# Altium PCB Drone_mercury_v2.PcbDoc (continued)
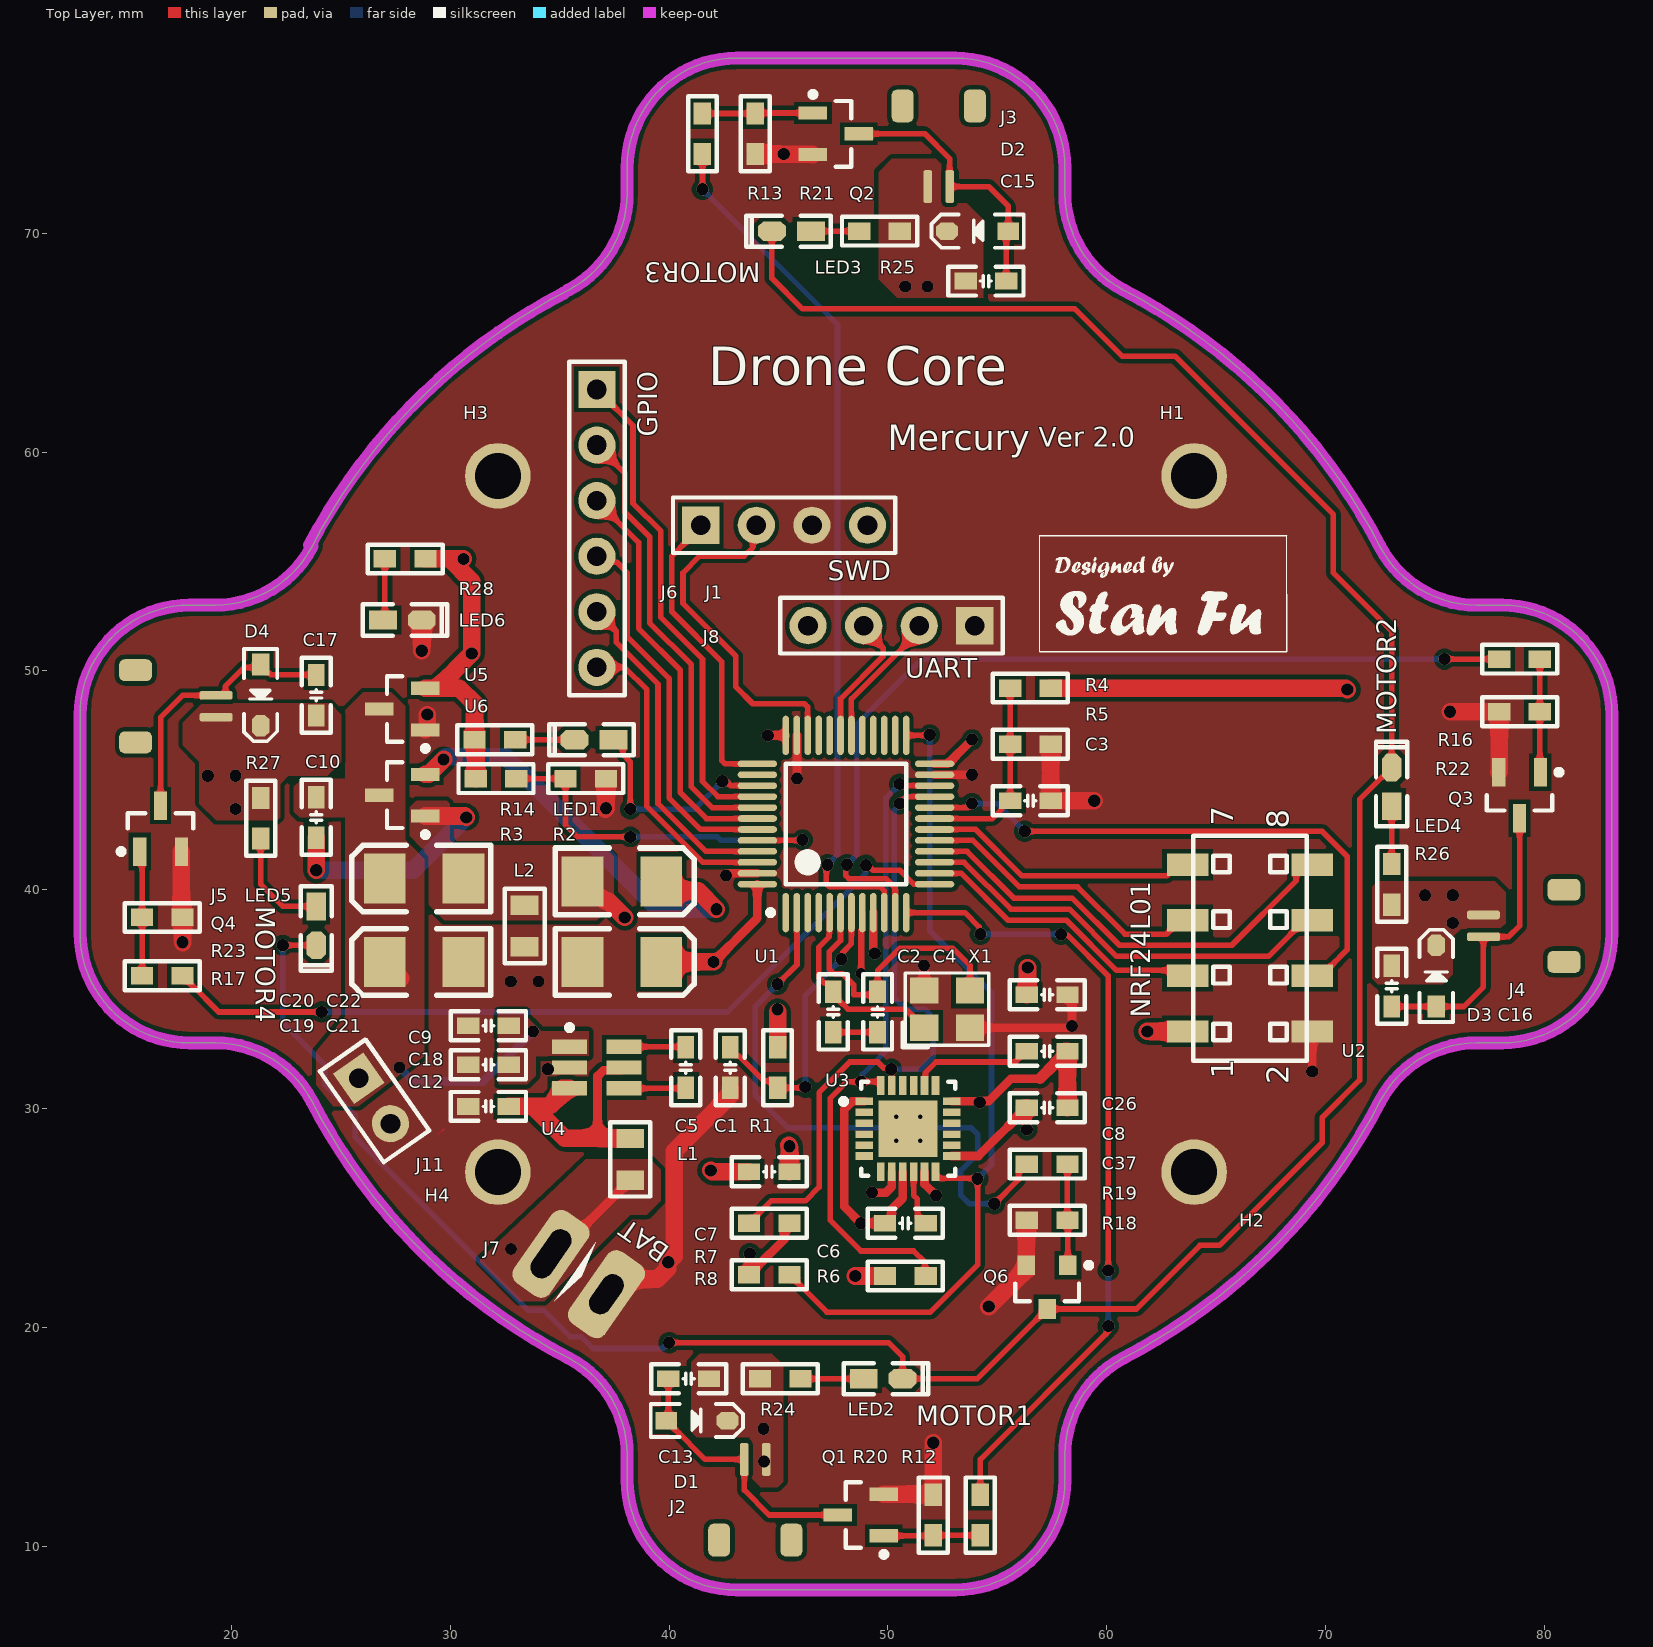
[diagram p0: Top Layer view]
## Footprints (in the part's own frame and the unit in brackets; to place one, negate y for a bottom-side part, rotate by r counter-clockwise, add the part's x,y. Pads: shape width x height; smd on the part's side, far side on the other; paste and mask are expansions set on the pad)
C0603_M [mil]
  rect 40x30 smd: 1(-36.5,0) 2(36.5,0)
  silkscreen extent -68,-26 68,26, body extent -31,-16 32,16, height 33
C_3528 [mil] "长3.5mm，宽2.8mm，厚1.9mm"
  rect 75x90 smd: 1(-70.87,-0.01) 2(70.86,-0.01)
  silkscreen extent -130,-60 120,60, body extent -69,-55 69,55, height 76
HDR2.54-LI-2P [mm]
  rect 1.7x1.7 hole 0.9: 1(-1.27,0)
  round 1.7 hole 0.9: 2(1.27,0)
  silkscreen extent -2.54,-1.27 2.54,1.27, body extent -2.54,-1.27 2.54,1.27, height 2.54
HDR2.54-LI-4P [mm]
  rect 1.7x1.7 hole 0.9: 1(-3.81,0)
  round 1.7 hole 0.9: 2(-1.27,0) 3(1.27,0) 4(3.81,0)
  silkscreen extent -5.08,-1.27 5.08,1.27, body extent -5.08,-1.27 5.08,1.27, height 2.54
HDR2.54-LI-6P [mm]
  rect 1.7x1.7 hole 0.9: 1(-6.35,0)
  round 1.7 hole 0.9: 2(-3.81,0) 3(-1.27,0) 4(1.27,0) 5(3.81,0) 6(6.35,0)
  silkscreen extent -7.62,-1.27 7.62,1.27, body extent -7.62,-1.27 7.62,1.27, height 2.54
HDR2.54-M-LS-2x4P [mm]
  rect 1.02x1.9 smd: 1(-3.81,2.85) 2(-3.81,-2.85) 3(-1.27,2.85) 4(-1.27,-2.85) 5(1.27,2.85) 6(1.27,-2.85) 7(3.81,2.85) 8(3.81,-2.85)
  silkscreen extent -5.15,-2.6 5.14,2.6, body extent -5.11,-3.2 5.11,3.2, height 5.15
IS-QFN-24_V [mm] "QFN, 24-Leads, Body 4x4mm, Pitch 0.5mm, Thermal Pad 2.7x2.6mm"
  rect 0.8x0.35 smd: 1(-2,1.25) 2(-2,0.75) 3(-2,0.25) 4(-2,-0.25) 5(-2,-0.75) 6(-2,-1.25) 13(2,-1.25) 14(2,-0.75) 15(2,-0.25) 16(2,0.25) 17(2,0.75) 18(2,1.25)
  rect 0.35x0.85 smd mask+0.102: 7(-1.25,-1.975) 8(-0.75,-1.975) 9(-0.25,-1.975) 10(0.25,-1.975) 11(0.75,-1.975) 12(1.25,-1.975) 19(1.25,1.975) 20(0.75,1.975) 21(0.25,1.975) 22(-0.25,1.975) 23(-0.75,1.975) 24(-1.25,1.975)
  rect 2.7x2.6 smd: 25(0,0)
  silkscreen extent -3.07,-2.15 2.15,2.15, body extent -2,-2 2,2, height 0.95
LED0603_R [mil]
  rect 50x35 smd: 1(-35,0.26)
  oct 50x35 smd: 2(35,0.26)
  silkscreen extent -71,-28 81,28, body extent -32,-16 31,16, height 18
LQFP48_N [mm]
  oval 1.8x0.3 smd: 1(-4.05,2.75) 2(-4.05,2.25) 3(-4.05,1.75) 4(-4.05,1.25) 5(-4.05,0.75) 6(-4.05,0.25) 7(-4.05,-0.25) 8(-4.05,-0.75) 9(-4.05,-1.25) 10(-4.05,-1.75) 11(-4.05,-2.25) 12(-4.05,-2.75) 25(4.05,-2.75) 26(4.05,-2.25) 27(4.05,-1.75) 28(4.05,-1.25) 29(4.05,-0.75) 30(4.05,-0.25) 31(4.05,0.25) 32(4.05,0.75) 33(4.05,1.25) 34(4.05,1.75) 35(4.05,2.25) 36(4.05,2.75)
  oval 0.3x1.8 smd: 13(-2.75,-4.05) 14(-2.25,-4.05) 15(-1.75,-4.05) 16(-1.25,-4.05) 17(-0.75,-4.05) 18(-0.25,-4.05) 19(0.25,-4.05) 20(0.75,-4.05) 21(1.25,-4.05) 22(1.75,-4.05) 23(2.25,-4.05) 24(2.75,-4.05) 37(2.75,4.05) 38(2.25,4.05) 39(1.75,4.05) 40(1.25,4.05) 41(0.75,4.05) 42(0.25,4.05) 43(-0.25,4.05) 44(-0.75,4.05) 45(-1.25,4.05) 46(-1.75,4.05) 47(-2.25,4.05) 48(-2.75,4.05)
  silkscreen extent -4.17,-2.75 2.75,3.57, body extent -4.5,-4.5 4.5,4.5, height 1.45
LT-S6-6-TSOT-23_M [mm] "SOT23, 6-Leads, Body 2.9x1.75mm, Pitch 0.95mm, IPC Low Density"
  rect 1.6x0.65 smd: 1(-1.25,0.95) 2(-1.25,0) 3(-1.25,-0.95) 4(1.25,-0.95) 5(1.25,0) 6(1.25,0.95)
  silkscreen extent -1.37,1.7 -1.13,1.95, body extent -0.87,-1.45 0.87,1.45, height 1
ONSC-SOT-23-3-318-08_V [mm] "SOT23, 3-Leads, Body 2.92x1.3mm, Pitch 0.95mm"
  rect 0.9x0.8 smd: 1(-1,0.95) 2(-1,-0.95) 3(1,0)
  silkscreen extent -1.12,-1.46 0.65,2.03, body extent -0.65,-1.46 0.65,1.46, height 1.11
Pos-Hole [mm]
  round 3 hole 2.1: 1(0,0)
PWR_Bonding_Pad [mm]
  rrect50% 2x4 hole 1 slot 2.5 at 90 deg: 1(-1.5,0.033)
  rrect50% 2x4 hole 1 slot 2 at 90 deg: 2(1.637,-0.025)
  silkscreen extent -0.13,-1.65 0.25,1.65
R0603_M [mil]
  rect 40x31.5 smd: 1(-36.5,0) 2(36.5,0)
  silkscreen extent -68,-26 68,26, body extent -31,-16 32,16, height 16
R0805_L [mil]
  rect 35x50 smd: 1(-37.4,0) 2(37.4,0)
  silkscreen extent -67,-36 67,36, body extent -39,-25 39,25, height 20
SH1.0-2p [mm]
  rrect50% 1.5x0.4 smd: 1(-1.905,-0.5) 2(-1.905,0.5)
  rrect50% 1.5x1 smd: SH1(1.778,-1.651) SH2(1.778,1.651)
  body extent -2.45,-2 2.51,2, height 3.06
SOD-323 [mm]
  rect 1x0.8 smd: 1(-1.4,0)
  oct 1x0.8 smd: 2(1.4,0)
  silkscreen extent -2.11,-0.76 2.11,0.76, body extent -1.32,-0.65 1.32,0.65, height 0.95
sot23 [mm]
  rect 1.3x0.6 smd: 1(-1.05,0.95) 2(-1.05,-0.95) 3(1.05,0)
  silkscreen extent -1.18,-1.5 0.7,1.92, body extent -1.2,-1.5 1.2,1.5, height 1.05
SOT23-3N [mm]
  rect 1.3x0.6 smd: 1(-1.05,0.95) 2(-1.05,-0.95) 3(1.05,0)
  silkscreen extent -1.18,-1.5 0.7,1.92, body extent -1.2,-1.5 1.2,1.5, height 1.05
XTAL-3225-4P [mm]
  rect 1.3x1.2 smd: 1(-1.05,-0.85) 2(1.05,-0.85) 3(1.05,0.85) 4(-1.05,0.85)
  silkscreen extent -2.03,-1.75 1.91,1.65, body extent -1.6,-1.25 1.6,1.25, height 0.7

## Part data
C1 C2 C3 C4 C5 C6 C7 C8 C9 C10 C12 C13 C15 C16 C17 C18 C26 C37: library part C, "贴片电容", BOM名称=无极性贴片电容, 联系卖家，免费查找封装=唯一出售店铺网址https://shop463601444.taobao.com
C19 C20 C21 C22: library part CT, "贴片钽电容", BOM名称=贴片钽电容, 联系卖家，免费查找封装=唯一出售店铺网址https://shop463601444.taobao.com
D1 D2 D3 D4: "开关二极管", BOM名称=高速开关二极管, 联系卖家，免费查找封装=唯一出售店铺网址https://shop463601444.taobao.com
H1 H2 H3 H4: library part Hole
J1: library part "Header 4", "4P接插件", BOM名称=4P接插件, 封装库来自淘宝卖家 ID：黄晶宝石=其他店铺购入均为盗版假冒封装库, 联系卖家，免费查找封装=唯一出售店铺网址https://shop463601444.taobao.com
J2 J3 J4 J5 J7 J11: library part "Header 2", "2P接插件", BOM名称=2P接插件, 封装库来自淘宝卖家 ID：黄晶宝石=其他店铺购入均为盗版假冒封装库, 联系卖家，免费查找封装=唯一出售店铺网址https://shop463601444.taobao.com
J6: library part "Header 6", "GPIO口", BOM名称=6P接插件, 封装库来自淘宝卖家 ID：黄晶宝石=其他店铺购入均为盗版假冒封装库, 联系卖家，免费查找封装=唯一出售店铺网址https://shop463601444.taobao.com
J8: library part "Header 4", "UART通信口", BOM名称=4P接插件, 封装库来自淘宝卖家 ID：黄晶宝石=其他店铺购入均为盗版假冒封装库, 联系卖家，免费查找封装=唯一出售店铺网址https://shop463601444.taobao.com
L1 L2 R1 R2 R3 R4 R5 R6 R7 R8 R12 R13 R14 R16 R17 R18 R19 R20 R21 R22 R23 R24 R25 R26 R27 R28: library part R, "贴片电阻", BOM名称=贴片电阻, 联系卖家，免费查找封装=唯一出售店铺网址https://shop463601444.taobao.com
LED1 LED2 LED3 LED4 LED5 LED6: library part LED-SMD, "贴片LED", BOM名称=贴片LED, 联系卖家 免费查找封装=封装库来自淘宝卖家ID：黄晶宝石
Q1 Q2 Q3 Q4: library part AO3400, "N沟道 30V/4.2A", BOM名称=场效应管, 参数="N沟道 30V/4.2A", 联系卖家，免费查找封装=唯一出售店铺网址https://shop463601444.taobao.com
Q6: library part CMP-1048-00669-1, "High Voltage Transistor, NPN Silicon, 3-Pin SOT-23, Pb-Free, Tape and Reel", Manufacturer="On Semiconductor", ComponentLink1Description="Manufacturer URL", ComponentLink1URL=http://www.onsemi.com/, ComponentLink2Description=Datasheet, ComponentLink2URL=http://www.onsemi.cn/pub_link/Collateral/MMBT5550LT1-D.PDF, ComponentLink3Description="Package Specification", ComponentLink3URL=http://www.onsemi.cn/pub_link/Collateral/318-08.PDF, DatasheetVersion="Rev. 10", IC Continuous (A)=0.6, Mounting Technology="Surface Mount", PackageDescription="3-Pin Small Outline Transistor, Body 2.92 x 1.3 mm, Pitch 0.95 mm", PackageReference=SOT-23-3-318-08, PackageVersion="Rev. AP, 11/2009", Packing="Tape and Reel", PartNumber=MMBT5551LT1G, Polarity=NPN, RoHS=TRUE
U1: "STM32 ARM-based 32-bit MCU Performance Line with 64 kB Flash, 20 kB Internal RAM, -40 to +85癈 Temperature, 48-Pin LQFP, Tray", ComponentLink1Description="Manufacturer URL", ComponentLink1URL=http://www.st.com/, ComponentLink2Description="STM32F103 Datasheet", ComponentLink2URL=http://www.st.com/internet/com/TECHNICAL_RESOURCES/TECHNICAL_LITERATURE/DATASHEET/CD00161566.pdf, ComponentLink3Description="STM32 Family Web Page", ComponentLink3URL=www.st.com/stm32, DatasheetVersion="rev13.0, Apr-2011", PackageDescription="48-Pin Low-Profile Quad Flat Pack, 7 x 7 mm Body, 0.5 mm Pitch (LQFP48)", PackageReference=LQFP48, PackageVersion="rev13, Apr-2011", 联系卖家，免费查找封装=唯一出售店铺网址https://shop463601444.taobao.com
U3: library part CMP-1753-00002-2, "3-Axis Gyroscope, Accelerometer and a Digital Motion Processor(TM) (DMP), 2.375 to 3.46 V, -40 to 85 degC, 24-Pin QFN, RoHS, Tape and Reel", Manufacturer=InvenSense, Standard Package=5,000, Category=Sensors,Transducers, Datasheet URL=http://datasheet.octopart.com/MPU-6050-InvenSense-datasheet-14421344.pdf, Datasheet Version="Rev. 3.3, 05/2012", Dynamic Catalog=MPU-6000™Series, Family=Multifunction, Featured Product=MPU-60506-Axis,IntegratedI²CSolution, Manufacturer URL=http://www.invensense.com/, Online Catalog=MPU-6000™Series, Other Names="1428-1007-2 / MPU6050", Output Type=Digital, Sensor Type=MotionTracking, Unit PriceUSD=Digital
U4: library part CMP-0477-00281-1, "Low Noise, Doubler / White LED Driver, 2.7 to 4.5 V Vin, 5 V Vout MAX, 6-pin SOT23 (S6-6), -40 to 85 degC, Pb-Free, Mini Tape and Reel", Manufacturer="Linear Technology", PartNumber=LTC3200ES6-5#TRMPBF, Code_JEDEC=MO-193, ComponentLink1Description="Manufacturer URL", ComponentLink1URL=http://www.linear.com/, ComponentLink2Description=Datasheet, ComponentLink2URL=http://cds.linear.com/docs/en/datasheet/32005f.pdf, ComponentLink3Description="Package Specification", ComponentLink3URL=http://cds.linear.com/docs/en/packaging/SOT_6_05-08-1636.pdf, Mounting Technology="Surface Mount", PackageDescription="6-Pin Plastic TSOT-23, Body 2.9 x 1.63 mm, Pitch 0.95 mm", PackageReference=S6-6, PackageVersion=Jun-10, Packing="Mini Tape and Reel", RoHS=TRUE, Topology="Charge Pump, LED Driver", Vin Min(V)=2.7
X1: library part XTAL-4P, "4脚无源晶振(谐振器）", BOM名称=4脚无源晶振(谐振器）, 联系卖家，免费查找封装=唯一出售店铺网址https://shop463601444.taobao.com

## Via types
v1: diameter 0.559, hole 0.559, Top Layer to Bottom Layer, 84 vias
v2: diameter 0.5, hole 0.2, Top Layer to Bottom Layer, 4 vias
v3: diameter 0.5, hole 0.5, Top Layer to Bottom Layer, 1 vias

## Nets (pads, with @x,y where several pads share a name; then routed paths per layer and width w, separated by ;. In a path a pad name is that pad's centre, name@x,y a point inside that pad or via, vN(x,y) a via of type N, cw(c..) or ccw(c..) an arc to the next point about the centre after c; other vN are vias at no path point)
CE: U1.20 U2.4 | length 26
  Top Layer w0.254: U1.20 v1@53.663,43.757 ; v1(56.261,42.672) 69.85,42.672 70.993,41.529 70.993,37.265 70.221,36.493 70.221,36.451 69.838,36.068 U2.4
  Bottom Layer w0.254: v1(53.848,43.942) 54.991,43.942 v1(56.261,42.672)
CSN: U1.14 U2.3 | length 13.5
  Top Layer w0.254: U1.14 52.146,40.749 53.358,40.749 55.499,38.608 58.166,38.608 60.452,36.322 63.444,36.322 U2.3
GGND: C6.1 C7.1 C8.1 C10.1 C20.2 C22.2 C37.2 L2.2 U3.1 U3.9 U3.11 U3.18 U6.1 | length 36.4
  Top Layer w0.4: U3.1 48.367,30.333 48.006,29.972 48.006,25.527 v1(48.768,24.765) 49.989,24.765 50.17,24.946 50.17,25.405 50.677,25.912 U3.9 ; U3.11 51.677,26.555 v1(52.197,26.035) ; U3.18 54.104,30.333 54.157,30.28 v1(54.2,30.28) 54.23,30.31 54.343,30.31 54.383,30.35 54.607,30.35 55.626,31.369 56.952,31.369
  Top Layer w0.5: 56.952,31.369 C8.1@58.096,32.513
  Top Layer w0.8: v1(23.876,40.894) C10.1 ; U6.1 30.668,43.373 v1(30.734,43.307) ; C22.2 36.046,40.196 36.599,39.643 36.921,39.643 37.067,39.497 37.211,39.497 v1(37.973,38.735) ; v1(41.91,27.178) 41.972,27.116 C7.1 ; C8.1@58.096,32.513 58.096,32.602 58.115,32.621 C8.1 C37.2
  Bottom Layer w0.8: v1(23.876,40.894) 28.321,40.894 v1(30.734,43.307)
GND: C1.1 C3.1 C9.1 C12.1 C18.1 C19.2 C21.2 C26.2 H1.1 H2.1 H3.1 H4.1 J1.3 J7.2 J8.1 J11.2 L2.1 LED6.2 Q1.2 Q2.2 Q3.2 Q4.2 Q6.2 R2.1 R5.2 R18.2 R20.1 R21.1 R22.1 R23.1 U1.8 U1.23 U1.35 U1.47 U2.2 U4.2 U5.1 X1.2 X1.4 | length 59.3
  Top Layer w0.3: v3(48.78,36.18) 48.78,38.15 48.837,38.207 U1.8
  Top Layer w0.4: v1(34.46,31.8) 34.49,31.83 35.406,31.83 U4.2 ; v1(42.6,40.65) 42.643,40.65 42.75,40.757 U1.47 ; U1.35 45.847,47.048 v1(45.847,45.085) ; X1.4 v1(51.655,36.542) ; U1.23 v1(53.848,45.257) ; X1.2 58.289,33.694 58.377,33.782 v1(58.42,33.782) 58.42,35.016 58.239,35.197 C26.2 ; v1(69.398,31.694) U2.2
  Top Layer w0.8: Q4.2 17.714,38.735 R23.1 v1(17.772,37.6) v1@17.78,37.592 ; v1(28.702,50.927) LED6.2 ; U5.1 28.956,47.403 v1(28.956,48.006) ; v1@37.084,43.688 v1(37.122,43.726) R2.1 ; J7.2@37.825,22.204 39.471,22.204 39.94,22.673 v1@39.94,22.98 ; v1(39.96,22.98) 40.24,23.26 40.24,28.048 42.799,30.607 C1.1 ; R21.1 46.552,73.622 Q2.2 ; Q1.2 R20.1@52.07,12.38 ; R20.1 R20.1@52.07,12.38 ; v1(52.07,14.732) R20.1@52.07,12.38 ; v1(54.61,20.955) 56.327,22.672 Q6.2 56.327,24.892 R18.2 ; R5.2 C3.1 v1(59.436,44.069) ; v1(75.692,48.133) R22.1 77.94,45.396 Q3.2
  other v1: 32.766,35.814 34.036,35.814 45.247,73.622
INT1: R8.2 U1.25 U3.12 | length 39.2
  Top Layer w0.254: R8.2 47.218,20.701 51.943,20.701 54.102,22.86 v1(54.102,26.797) 54.089,26.81 52.225,26.81 52.177,26.858 U3.12 ; U1.25 51.883,47.057 v1(51.913,47.087) v1@51.943,47.117
  Bottom Layer w0.254: v1(51.913,47.087) 51.913,38.13 54.737,35.306 54.737,27.432 v1(54.102,26.797)
IRQ: U1.18 U2.7 | length 12.6
  Top Layer w0.254: U1.18 54.017,42.757 56.134,40.64 62.75,40.64 63.258,41.148 U2.7
LED3: R19.2 U1.2 | length 27.3
  Top Layer w0.254: v1(44.958,35.687) 45.847,36.576 U1.2@45.847,38.165 ; U1.2 45.846,38.949 U1.2@45.846,38.166 ; v1(54.864,25.654) 55.969,26.759 55.969,27.195 56.242,27.468 R19.2
  Bottom Layer w0.254: v1(44.958,35.687) 43.942,34.671 43.942,30.607 45.429,29.12 53.811,29.12 54.102,28.829 54.102,27.94 53.34,27.178 53.34,26.035 53.721,25.654 v1(54.864,25.654)
M0: R12.1 U1.12 | length 36.7
  Top Layer w0.254: U1.12 53.517,38.957 54.171,38.304 54.171,38.031 v1(54.229,37.973) ; R12.1 54.229,13.97 60.071,19.812 v1(60.071,20.066) ; v1(57.912,37.973) 57.97,37.915 58.224,37.915 60.071,36.068 v1(60.071,22.606)
  Bottom Layer w0.254: v1(54.229,37.973) v1(57.912,37.973) ; v1(60.071,20.066) v1(60.071,22.606)
M1: R13.1 U1.10 | length 39.9
  Top Layer w0.254: v1(41.529,72.009) R13.1 ; v1(47.244,41.148) 47.186,41.09 47.186,40.281 47.335,40.132 49.657,40.132 49.837,39.952 U1.10
  Bottom Layer w0.254: v1(41.529,72.009) 47.7,65.838 47.7,41.604 v1(47.244,41.148)
M2: R16.1 U1.11 | length 41.3
  Top Layer w0.254: v1(48.133,41.148) 48.075,41.09 48.075,40.874 48.073,40.872 48.073,40.662 48.222,40.513 49.911,40.513 50.337,40.087 U1.11 ; v1(75.438,50.546) R16.1
  Bottom Layer w0.254: v1(48.133,41.148) 48.587,41.602 48.587,47.571 51.562,50.546 v1(75.438,50.546)
M3: R17.1 U1.13 | length 38.5
  Top Layer w0.254: R17.1 17.88,36.068 18.153,35.795 18.153,35.687 19.423,34.417 v1(24.13,34.417) ; v1(49,41.126) 49.082,41.126 49.234,40.973 49.244,40.973 49.323,40.894 50.546,40.894 51.174,40.266 52.129,40.266 U1.13
  Bottom Layer w0.254: v1(24.13,34.417) 42.672,34.417 48.977,40.722 48.977,41.103 v1(49,41.126)
MISO: U1.16 U2.8 | length 20.8
  Top Layer w0.254: U1.16 53.62,41.757 55.753,39.624 58.42,39.624 60.579,37.465 65.715,37.465 68.656,40.406 68.656,40.765 69.039,41.148 U2.8
MOSI: U1.17 U2.5 | length 13.7
  Top Layer w0.254: U1.17 53.882,42.257 56.007,40.132 58.674,40.132 60.833,37.973 62.726,37.973 62.875,38.122 62.875,38.225 63.258,38.608 U2.5
NetC1_2: C1.2 R1.2 U1.7 | length 13.2
  Top Layer w0.254: C1.2 42.799,32.677 43.053,32.423 43.18,32.423 44.336,31.267 44.685,31.267 44.958,30.994 R1.2 46.19,30.95 v1(46.228,30.988) ; v1(47.879,36.83) 47.937,36.888 47.937,37.142 48.337,37.542 U1.7
  Bottom Layer w0.254: v1(46.228,30.988) 46.228,35.179 v1(47.879,36.83)
NetC2_1: C2.1 U1.5 X1.1 | length 9
  Top Layer w0.254: U1.5 47.329,38.949 47.329,38.166 47.316,38.154 47.316,37.846 46.838,37.368 46.838,36.005 47.117,35.725 47.244,35.725 47.498,35.471 C2.1 ; C2.1@47.498,35.217 47.752,34.963 48.171,34.544 50.805,34.544 51.132,34.217 51.132,34.167 51.605,33.694 X1.1
NetC2_2: C2.2 C4.2 | length 2
  Top Layer w0.254: C2.2 C4.2
NetC3_2: C3.2 R4.2 R5.1 U1.19 | length 9
  Top Layer w0.254: U1.19 54.776,43.257 55.207,43.688 55.207,43.815 55.461,44.069 C3.2 R5.1 R4.2
NetC4_1: C4.1 U1.6 X1.3 | length 12.8
  Top Layer w0.254: U1.6 47.837,37.677 47.32,37.16 47.32,36.38 47.54,36.16 47.94,36.16 48.438,35.662 48.438,35.2 49.386,35.2 C4.1 ; C4.1@49.53,35.471 49.53,36.322 50.546,37.338 52.959,37.338 53.755,36.542 X1.3
NetC5_1: C5.1 U4.4 | length 2.8
  Top Layer w0.254: U4.4 40.744,30.927 C5.1
NetC5_2: C5.2 U4.6 | length 2.8
  Top Layer w0.254: U4.6 40.744,32.827 C5.2
NetC6_2: C6.2 U3.10 | length 2.6
  Top Layer w0.254: U3.10 51.177,26.039 51.346,25.87 51.346,25.019 51.6,24.765 C6.2
NetC8_2: C8.2 U3.20 | length 5.7
  Top Layer w0.254: U3.20 51.716,31.097 51.716,31.65 52.197,32.131 55.82,32.131 55.969,32.28 55.969,32.367 56.223,32.621 C8.2
NetC13_1: C13.1 D1.1 J2.1 Q1.3 | length 12.5
  Top Layer w0.254: C13.1 39.967,15.84 D1.1 39.975,15.748 40.248,15.475 40.248,15.375 41.653,13.97 J2.1 43.442,12.565 44.577,11.43 Q1.3
NetC15_1: C15.1 D2.1 J3.1 Q2.3 | length 12.4
  Top Layer w0.254: Q2.3 51.689,74.549 52.824,73.414 J3.1 54.61,72.136 55.502,71.244 D2.1 55.41,70.012 C15.1
NetC16_1: C16.1 D3.1 J4.1 Q3.3 | length 13.6
  Top Layer w0.254: C16.1 73.028,34.668 D3.1 76.324,34.668 77.216,35.56 J4.1 78.367,37.854 78.867,38.354 Q3.3
NetC17_1: C17.1 D4.1 J5.1 Q4.3 | length 12.4
  Top Layer w0.254: Q4.3 16.764,47.879 17.772,48.887 J5.1 19.663,48.887 19.736,48.96 19.736,49.319 20.577,50.16 20.947,50.16 D4.1@21.117,50.33 ; D4.1 21.336,50.195 21.609,49.922 21.709,49.922 21.809,49.822 C17.1
NetJ1_1: J1.1 U1.37 | length 13.9
  Top Layer w0.254: J1.1@41.529,56.642 40.132,55.245 40.132,52.705 42.418,50.419 42.418,45.906 42.567,45.757 U1.37
NetJ1_2: J1.2 U1.34 | length 15.9
  Top Layer w0.254: J1.2@44.069,56.642 43.834,56.407 43.834,55.645 43.434,55.245 41.402,55.245 40.64,54.483 40.64,53.086 43.053,50.673 43.053,49.276 43.825,48.504 46.189,48.504 46.337,48.355 U1.34
NetJ6_1: J6.1 U1.40 | length 22.7
  Top Layer w0.254: J6.1 38.354,61.214 38.354,57.658 39.624,56.388 39.624,52.451 41.529,50.546 41.529,44.958 42.23,44.257 U1.40
NetJ6_2: J6.2 U1.41 | length 20.8
  Top Layer w0.254: J6.2 37.973,59.055 37.973,57.277 39.116,56.134 39.116,52.197 41.021,50.292 41.021,44.704 41.968,43.757 U1.41
NetJ6_3: J6.3 U1.42 | length 18.9
  Top Layer w0.254: J6.3 38.608,55.88 38.608,51.943 40.513,50.038 40.513,44.45 41.706,43.257 U1.42
NetJ6_4: J6.4 U1.43 | length 17.4
  Top Layer w0.254: J6.4 36.98,54.968 37.615,54.968 38.1,54.483 38.1,51.562 40.005,49.657 40.005,44.196 41.444,42.757 U1.43
NetJ6_5: J6.5 U1.45 | length 15.4
  Top Layer w0.254: J6.5 37.592,51.816 37.592,51.308 39.497,49.403 39.497,43.942 41.682,41.757 U1.45
NetJ6_6: J6.6 U1.46 | length 14.1
  Top Layer w0.254: J6.6 37.973,50.165 38.989,49.149 38.989,43.815 41.547,41.257 U1.46
NetLED1_1: LED1.1 U1.39 | length 9.9
  Top Layer w0.254: LED1.1 37.577,46.856 37.894,46.539 37.894,46.18 38.227,45.847 v1(38.227,43.688) ; v1@42.545,44.958 42.627,44.958 42.828,44.757 U1.39
  Bottom Layer w0.254: v1(38.227,43.688) 41.165,43.688 v1(42.435,44.958)
NetLED1_2: LED1.2 R14.2 | length 2.7
  Top Layer w0.254: R14.2 35.68,46.863 LED1.2
NetLED2_1: LED2.1 R24.1 | length 2.9
  Top Layer w0.254: R24.1 48.889,17.653 LED2.1
NetLED2_2: LED2.2 LED3.2 LED4.2 LED5.2 Q6.3 | length 129.2
  Top Layer w0.254: v1(22.352,37.465) LED5.2 ; v1(40.005,19.304) 50.038,19.304 50.673,18.669 LED2.2 54.093,17.66 56.954,20.521 57.004,20.521 57.277,20.794 Q6.3 61.357,20.844 64.262,23.749 65.151,23.749 69.85,28.448 69.85,29.591 71.56,31.301 71.56,44.135 72.574,45.149 72.617,45.149 73.018,45.55 LED4.2 73.018,51.823 70.358,54.483 70.358,57.15 63.119,64.389 60.706,64.389 58.547,66.548 46.101,66.548 44.704,67.945 LED3.2
  Bottom Layer w0.254: v1(22.352,37.465) 22.352,33.909 24.257,32.004 24.257,31.115 25.654,29.718 25.654,28.702 33.576,20.78 34.28,20.78 35.48,19.58 35.98,19.58 36.52,19.04 39.704,19.04 39.968,19.304 v1(40.005,19.304)
NetLED3_1: LED3.1 R25.1 | length 2.2
  Top Layer w0.254: LED3.1 48.685,70.097 R25.1
NetLED4_1: LED4.1 R26.1 | length 2.4
  Top Layer w0.254: R26.1@73.025,41.44 LED4.1@73.025,43.815
NetLED5_1: LED5.1 R27.1 | length 5.1
  Top Layer w0.254: R27.1 21.336,40.259 22.352,39.243 LED5.1
NetLED6_1: LED6.1 R28.1 | length 2.8
  Top Layer w0.254: LED6.1 27.013,52.419 R28.1
NetQ1_1: Q1.1 R12.2 R20.2 | length 4.4
  Top Layer w0.254: Q1.1 52.047,10.48 R20.2 R12.2
NetQ2_1: Q2.1 R13.2 R21.2 | length 5.1
  Top Layer w0.254: R13.2 R21.2 43.965,75.499 Q2.1
NetQ3_1: Q3.1 R16.2 R22.2 | length 5.2
  Top Layer w0.254: R16.2 R22.2 79.794,45.396 Q3.1
NetQ4_1: Q4.1 R17.2 R23.2 | length 5.7
  Top Layer w0.254: Q4.1 15.918,41.645 R23.2 R17.2
NetQ6_1: Q6.1 R18.1 R19.1 | length 4.6
  Top Layer w0.254: R19.1 R18.1 58.227,24.869 Q6.1
NetR2_2: R2.2 R3.2 U1.44 | length 17.6
  Top Layer w0.254: R3.2 R2.2 35.268,42.964 35.814,42.418 v1(38.227,42.418) ; U1.44 46.067,42.257 v1(46.101,42.291)
  Bottom Layer w0.254: v1(38.227,42.418) 42.209,42.418 42.369,42.257 46.067,42.257 v1(46.101,42.291)
RXD: J8.3 U1.31 | length 6.1
  Top Layer w0.254: U1.31 47.837,48.726 49.784,50.673 49.784,51.044 49.149,51.679 J8.3@49.149,52.07
SCK: U1.15 U2.6 | length 19.8
  Top Layer w0.254: U1.15 53.485,41.257 55.626,39.116 58.293,39.116 60.452,36.957 67.388,36.957 68.575,38.144 68.575,38.225 68.958,38.608 U2.6
SCL: R7.1 U1.21 U3.23 | length 29.8
  Top Layer w0.254: R7.1 43.758,24.765 44.031,25.038 44.031,25.146 44.666,25.781 46.228,25.781 46.863,26.416 46.863,30.734 48.26,32.131 49.539,32.131 49.811,31.858 50.102,31.858 50.168,31.792 50.168,31.067 U3.23 ; v1(50.546,43.942) 50.546,43.956 50.847,44.257 U1.21
  Bottom Layer w0.254: v1(50.16,31.8) 51.485,31.8 52.07,32.385 52.07,34.163 51.689,34.544 50.8,34.544 50.292,35.052 50.292,43.641 50.546,43.895 v1(50.546,43.942)
SDA: R6.1 U1.22 U3.24 | length 30.1
  Top Layer w0.254: U3.24 49.677,31.185 49.629,31.233 v1(48.777,31.233) 48.764,31.22 48.111,31.22 47.371,30.48 47.371,24.892 48.768,23.495 51.181,23.495 51.692,22.984 51.692,22.387 R6.1 ; v1(50.546,44.831) 50.62,44.757 U1.22
  Bottom Layer w0.254: v1(48.777,31.233) 48.835,31.291 48.835,31.563 49.911,32.639 49.911,44.196 v1(50.546,44.831)
TXD: J8.2 U1.30 | length 5.9
  Top Layer w0.254: U1.30 48.337,48.718 J8.2@51.308,51.689
V5: C9.2 C10.2 C18.2 C19.1 C20.1 J11.1 U4.1 U5.3 U6.3 | length 9
  Top Layer w0.8: J11.1 J11.1@26.313,31.393 ; C19.1 27.007,36.512 27.56,35.96 C19.1@27.75,35.96
  Bottom Layer w0.4: v1(27.686,31.877) 28.321,31.242 31.496,31.242 v1(33.782,33.528)
VBat: C13.2 C15.2 C16.2 C17.2 D1.2 D2.2 D3.2 D4.2 J2.2 J3.2 J4.2 J5.2 J7.1 L1.2 R4.1 R24.2 R25.2 R26.2 R27.2 | length 19.3
  Top Layer w0.4: J7.1@34.268,23.03 J7.1 34.857,23.366 37.792,26.301 37.792,26.492 38.036,26.736 L1.2 ; C13.2@41.694,17.653 C13.2
  Top Layer w0.8: R4.1 70.92,49.222 v1(70.993,49.149)
  other v1: 44.34,13.88 44.323,15.367 32.78,23.58 75.819,38.481 74.549,39.751 75.819,39.751 20.193,43.688 18.923,45.212 20.193,45.212 50.8,67.564 51.816,67.564
VCC: C7.2 C21.1 C26.1 J1.4 J8.4 R1.1 R3.1 R6.2 R7.2 R8.1 R14.1 R28.2 U1.9 U1.24 U1.36 U1.48 U2.1 U3.8 U5.2 | length 39.6
  Top Layer w0.4: v1(42.037,36.703) 44.037,38.704 U1.48 ; v1(43.688,23.368) 43.65,23.33 R8.1 43.758,22.414 43.958,22.614 43.958,22.722 45.274,24.039 45.274,24.565 45.474,24.765 R7.2 ; v1(44.51,47.057) U1.36 ; v1(49.276,26.162) 49.911,26.162 50.177,26.428 U3.8 ; U1.9 49.337,37.193 49.403,37.127 v1(49.403,37.084) ; U1.24 52.742,45.757 v1(53.848,46.863)
  Top Layer w0.8: U5.2 U5.2@29.398,49.21 ; R28.2 29.972,55.118 ; v1(30.607,55.118) 29.972,55.118 ; R3.1 31.166,46.863 R14.1 31.115,48.514 30.419,49.21 U5.2@29.398,49.21 ; C21.1 v1(42.037,36.703) ; R1.1 v1@44.958,34.417 ; v1@45.466,28.321 v1(45.504,28.283) C7.2 ; v1(48.514,22.352) R6.2 ; C26.1 56.357,35.197 56.376,35.216 56.376,36.437 v1(56.388,36.449) ; v1(61.849,33.528) U2.1 ; U5.2@29.398,49.21 v1(30.988,50.8) 30.988,54.102 29.972,55.118
  other v1: 44.958,34.544
Vin: C12.2 L1.1 U4.3 U4.5 | length 12.5
  Top Layer w0.4: 36.736,28.636 36.736,31.486 37.002,31.752 37.828,31.752 U4.5
  Top Layer w0.8: C12.2 33.782,30.099 ; U4.3 35.128,30.927 35.053,30.852 35.053,30.643 34.509,30.099 33.782,30.099 ; L1.1 36.736,28.636 35.245,28.636 33.782,30.099
Vsen: C22.1 C37.1 U3.13 U6.2 | length 24.9
  Top Layer w0.4: U3.13 54.138,27.833 C37.1@56.242,29.937 ; v1(56.35,29.045) C37.1
  Top Layer w0.8: U6.2 29.013,45.273 v1(29.7,45.96) ; C22.1 40.082,39.95 41.33,39.95 v1(42.164,39.116) ; C37.1@56.242,29.937 56.242,30.026 56.261,30.045 C37.1
  Bottom Layer w0.8: v1(29.7,45.96) 29.813,46.073 32.54,46.073 39.497,39.116 v1(42.164,39.116)
pads on no net: J2.SH1 J2.SH2 J3.SH1 J3.SH2 J4.SH1 J4.SH2 J5.SH1 J5.SH2 U1.1 U1.3 U1.4 U1.26 U1.27 U1.28 U1.29 U1.32 U1.33 U1.38 U3.2 U3.3 U3.4 U3.5 U3.6 U3.7 U3.14 U3.15 U3.16 U3.17 U3.19 U3.21 U3.22 U3.25
copper on no net:
  other v2: 50.377,28.533 51.477,28.533 50.377,29.633 51.477,29.633

## Polygon pours and split planes (outlines as drawn)
GND on Top Layer "GND_L01_P014" (solid, remove dead copper, pour order 14): 13.087,78.693 13.087,8.007 83.087,8.007 83.087,78.693
V5 on Top Layer "V5_L01_P007" (solid, remove dead copper, pour order 7): 31.915,34.188 32.169,34.442 33.465,34.442 33.465,34.227 34.163,33.528 36.322,33.528 36.322,32.385 33.909,32.385 33.909,31.496 33.528,31.115 32.004,31.115
VBat on Top Layer "VBAT_L01_P013" (solid, remove dead copper, pour order 13): 39.141,27.686 39.624,27.203 39.624,25.781 38.989,25.146 38.227,25.146 34.29,21.209 33.147,21.209 31.305,23.05 36.195,27.686
V5 on Top Layer "V5_L01_P012" (solid, remove dead copper, pour order 12): 23.876,31.095 24.658,30.099 25.805,30.099 28.807,32.405 28.807,35.814 25.981,35.134 23.876,32.623
GND on Top Layer "GND_L01_P005" (solid, remove dead copper, pour order 5): 29.083,36.639 32.004,36.639 32.004,29.591 31.305,28.892 29.781,28.892 29.083,29.591
GGND on Top Layer "GGND_L01_P011" (solid, remove dead copper, pour order 11): 28.067,43.688 28.448,44.069 29.845,44.069 29.972,43.942 29.972,42.291 30.226,42.037 36.957,42.037 37.465,41.529 37.465,39.37 36.703,38.608 29.718,38.608 28.829,39.497 28.829,41.91 28.702,41.91 28.067,42.545
V5 on Top Layer "V5_L01_P010" (solid, remove dead copper, pour order 10): 22.86,44.704 23.241,45.085 25.654,45.085 25.654,43.307 23.114,43.307 22.86,43.561
V5 on Top Layer "V5_L01_P009" (solid, remove dead copper, pour order 9): 25.208,48.195 26.035,49.022 27.305,49.022 27.94,48.387 27.94,42.291 28.807,41.424 28.807,35.665 27.178,34.036 25.208,34.036
no net on Top Layer "NONET_L01_P006" (solid, remove dead copper, pour order 6): 29.591,28.956 29.718,29.083 29.464,28.829
GND on Top Layer "GND_L01_P004" (solid, remove dead copper, pour order 4): 29.083,37.846 29.591,38.354 37.084,38.354 37.719,37.719 37.719,35.814 36.957,35.052 36.83,35.179 29.718,35.179 29.083,35.814
VBat on Top Layer "VBAT_L01_P003" (solid, remove dead copper, pour order 3): 17.78,47.625 18.542,48.387 18.542,48.514 24.511,48.514 25.019,48.006 25.019,45.847 24.384,45.212 22.606,45.212 22.225,44.831 22.225,43.307 22.098,43.18 19.304,43.18 18.542,43.942 18.542,45.847 17.78,46.609
VBat on Top Layer "VBAT_L01_P002" (solid, remove dead copper, pour order 2): 49.575,72.799 50.182,73.406 52.197,73.406 52.451,73.152 52.451,71.374 53.594,71.374 54.356,70.612 54.356,67.056 50.419,67.056 49.575,67.9
VBat on Top Layer "VBAT_L01_P001" (solid, remove dead copper, pour order 1): 72.136,40.132 72.39,40.386 77.724,40.386 78.232,39.878 78.232,38.481 77.978,38.227 76.2,38.227 75.819,37.846 75.819,36.144 75.362,35.687 72.39,35.687 72.136,35.941
VBat on Top Layer "VBAT_L01_P000" (solid, remove dead copper, pour order 0): 41.021,18.415 41.402,18.796 44.704,18.796 45.212,18.288 45.212,12.954 44.958,12.7 44.196,12.7 43.688,13.208 43.688,14.986 41.275,14.986 41.021,15.24
GND on Bottom Layer "GND_L04_P016" (solid, remove dead copper, pour order 16): 12.595,78.5 12.595,8.007 83.087,8.007 83.087,78.433
VBat on PWR03 (split plane): 519 vertices, not listed, extent 13.596,8.516 82.579,77.499
no net on PWR03 (split plane): 24.142,55.465
VCC on PWR03 (split plane): 209 vertices, not listed, extent 25.837,20.757 70.337,65.257
Vsen on PWR03 (split plane): 57.148,33.855 57.148,28.069 56.678,28.069 56.528,28.22 56.486,28.248 56.436,28.258 55.32,28.258 55.32,28.726 55.337,28.737 55.366,28.779 55.375,28.829 55.366,28.879 55.337,28.921 55.32,28.938 55.32,33.732 55.31,33.781 55.282,33.823 51.168,37.938 51.126,37.966 51.076,37.975 41.456,37.975 41.277,38.154 41.277,39.82 51.182,39.82
no net on PWR03 (split plane): 60.545,66.952
no net on PWR03 (split plane): 72.032,30.55
GND on GND02 (split plane): 519 vertices, not listed, extent 13.596,8.516 82.579,77.499
GND on GND02 (split plane): 24.142,55.465
GGND on GND02 (split plane): 38.606,34.925 38.615,34.875 38.643,34.833 40.929,32.547 40.971,32.519 41.021,32.51 54.683,32.51 55.56,31.633 55.56,25.263 54.429,24.132 36.869,24.132 36.869,41.4 38.606,41.4
GND on GND02 (split plane): 60.545,66.952
GND on GND02 (split plane): 72.032,30.55

## Keep-outs
Keep-Out Layer:
  lines w0.6: 23.582,55.758 cw(c47.872,42.864) 35.18,67.26 ; 23.692,55.7 cw(c19.256,58.007) 19.256,53.007 18.087,53.007 ccw(c18.087,48.007) 13.087,48.007 13.087,38.007 ccw(c18.087,38.007) 18.087,33.007 19.256,33.007 cw(c19.256,28.007) 23.692,30.315 ccw(c48.087,43.007) 35.395,18.612 cw(c33.087,14.176) 38.087,14.176 38.087,13.007 ccw(c43.087,13.007) 43.087,8.007 53.087,8.007 ccw(c53.087,13.007) 58.087,13.007 58.087,14.176 cw(c63.087,14.176) 60.78,18.612 ccw(c48.087,43.007) 72.483,30.315 cw(c76.919,28.007) 76.919,33.007 78.087,33.007 ccw(c78.087,38.007) 83.087,38.007 83.087,48.007 ccw(c78.087,48.007) 78.087,53.007 76.919,53.007 cw(c76.919,58.007) 72.483,55.7 ccw(c48.087,43.007) 60.78,67.403 cw(c63.087,71.839) 58.087,71.839 58.087,73.007 ccw(c53.087,73.007) 53.087,78.007 43.087,78.007 ccw(c43.087,73.007) 38.087,73.007 38.087,71.839 cw(c33.087,71.839) 35.395,67.403

## Other copper
GND02 (plane layer: these items are gaps in the copper):
  lines w0.254: 36.74,24.003 40.894,24.003 54.483,24.003 55.689,25.209 55.689,31.686 54.737,32.639 42.672,32.639 41.021,32.639 38.735,34.925 38.735,41.529 36.74,41.529 36.74,24.003
PWR03 (plane layer: these items are gaps in the copper):
  circle w0.5: c48.087,43.007 r22.5
  lines w0.254: 55.19,28.885 55.246,28.829 ; 41.148,38.1 41.402,37.846 51.076,37.846 55.19,33.732 55.19,28.129 55.393,28.129 56.436,28.129 56.625,27.94 57.277,27.94 57.277,33.909 51.236,39.95 41.148,39.95 41.148,38.1

## Silkscreen, mask and mechanical layers (free items; w line width, h text height)
Top Overlay:
  drawing of 18 lines, arcs and shapes, not listed
  text "MOTOR3" at 44.196,68.961 h1.5 r180
  text "Drone Core" at 41.783,62.484 h3
  text "GPIO" at 39.751,60.706 h1.5 r90
  text "Ver 2.0" at 56.896,59.944 h1.5
  text "Mercury" at 49.995,59.69 h2
  text "SWD" at 47.244,53.848 h1.5
  text "UART" at 50.8,49.403 h1.5
  text "MOTOR2" at 73.533,47.117 h1.5 r90
  text "MOTOR4" at 20.828,39.243 h1.5 r270
  text "NRF24L01" at 62.28,34.16 h1.5 r90
  text "BAT" at 40.259,23.876 h1.5 r145
  text "MOTOR1" at 51.308,15.24 h1.5
Mechanical 1:
  circle w0.5: c63.997,58.917 r0.75
  circle w0.5: c63.997,58.917 r0.75
  circle w0.5: c32.177,58.917 r0.75
  circle w0.5: c32.177,58.917 r0.75
  circle w0.5: c32.177,27.097 r0.75
  circle w0.5: c32.177,27.097 r0.75
  circle w0.5: c63.997,27.097 r0.75
  circle w0.5: c63.997,27.097 r0.75
  lines w0.013: 13.087,38.007 13.087,48.007 ; 18.087,33.007 19.256,33.007 ; 18.087,53.007 19.256,53.007 ; 38.087,13.007 38.087,14.176 ; 38.087,71.839 38.087,73.007 ; 43.087,8.007 53.087,8.007 ; 43.087,78.007 53.087,78.007 ; 58.087,13.007 58.087,14.176 ; 58.087,71.839 58.087,73.007 ; 76.919,33.007 78.087,33.007 ; 76.919,53.007 78.087,53.007 ; 83.087,38.007 83.087,48.007
  lines w0.5: 23.692,30.315 ccw(c19.256,28.007) 19.256,33.007 cw(c19.256,28.007) 23.692,30.315 ; 23.692,30.315 ccw(c48.087,43.007) 35.395,18.612 ; 23.692,30.315 ccw(c48.087,43.007) 35.395,18.612 ; 23.692,55.7 cw(c19.256,58.007) 19.256,53.007 ccw(c19.256,58.007) 23.692,55.7 ; 23.692,55.7 cw(c48.087,43.007) 35.395,67.403 ; 23.692,55.7 cw(c48.087,43.007) 35.395,67.403 ; 35.395,18.612 cw(c33.087,14.176) 38.087,14.176 ccw(c33.087,14.176) 35.395,18.612 ; 35.395,67.403 ccw(c33.087,71.839) 38.087,71.839 cw(c33.087,71.839) 35.395,67.403 ; 60.78,18.612 ccw(c63.087,14.176) 58.087,14.176 cw(c63.087,14.176) 60.78,18.612 ; 60.78,18.612 ccw(c48.087,43.007) 72.483,30.315 ; 60.78,18.612 ccw(c48.087,43.007) 72.483,30.315 ; 60.78,67.403 cw(c48.087,43.007) 72.483,55.7 ; 60.78,67.403 cw(c48.087,43.007) 72.483,55.7 ; 60.78,67.403 cw(c63.087,71.839) 58.087,71.839 ccw(c63.087,71.839) 60.78,67.403 ; 72.483,30.315 cw(c76.919,28.007) 76.919,33.007 ccw(c76.919,28.007) 72.483,30.315 ; 72.483,55.7 ccw(c76.919,58.007) 76.919,53.007 cw(c76.919,58.007) 72.483,55.7 ; 13.087,38.007 ccw(c18.087,38.007) 18.087,33.007 cw(c18.087,38.007) 13.087,38.007 ; 13.087,48.007 cw(c18.087,48.007) 18.087,53.007 ccw(c18.087,48.007) 13.087,48.007 ; 38.087,13.007 ccw(c43.087,13.007) 43.087,8.007 cw(c43.087,13.007) 38.087,13.007 ; 38.087,73.007 cw(c43.087,73.007) 43.087,78.007 ccw(c43.087,73.007) 38.087,73.007 ; 53.087,8.007 ccw(c53.087,13.007) 58.087,13.007 cw(c53.087,13.007) 53.087,8.007 ; 53.087,78.007 cw(c53.087,73.007) 58.087,73.007 ccw(c53.087,73.007) 53.087,78.007 ; 78.087,33.007 ccw(c78.087,38.007) 83.087,38.007 cw(c78.087,38.007) 78.087,33.007 ; 78.087,53.007 cw(c78.087,48.007) 83.087,48.007 ccw(c78.087,48.007) 78.087,53.007

## Text inside footprints (layer, text, board x,y; h text height)
U2: Top Overlay "2" at 68.326,31.115 h1.02 r90; Top Overlay "1" at 65.786,31.369 h1.02 r90; Top Overlay "7" at 65.786,42.926 h1.02 r90; Top Overlay "8" at 68.326,42.799 h1.02 r90